# Altium PCB ROBOT1.PcbDoc (part 6 of 7) (continued)
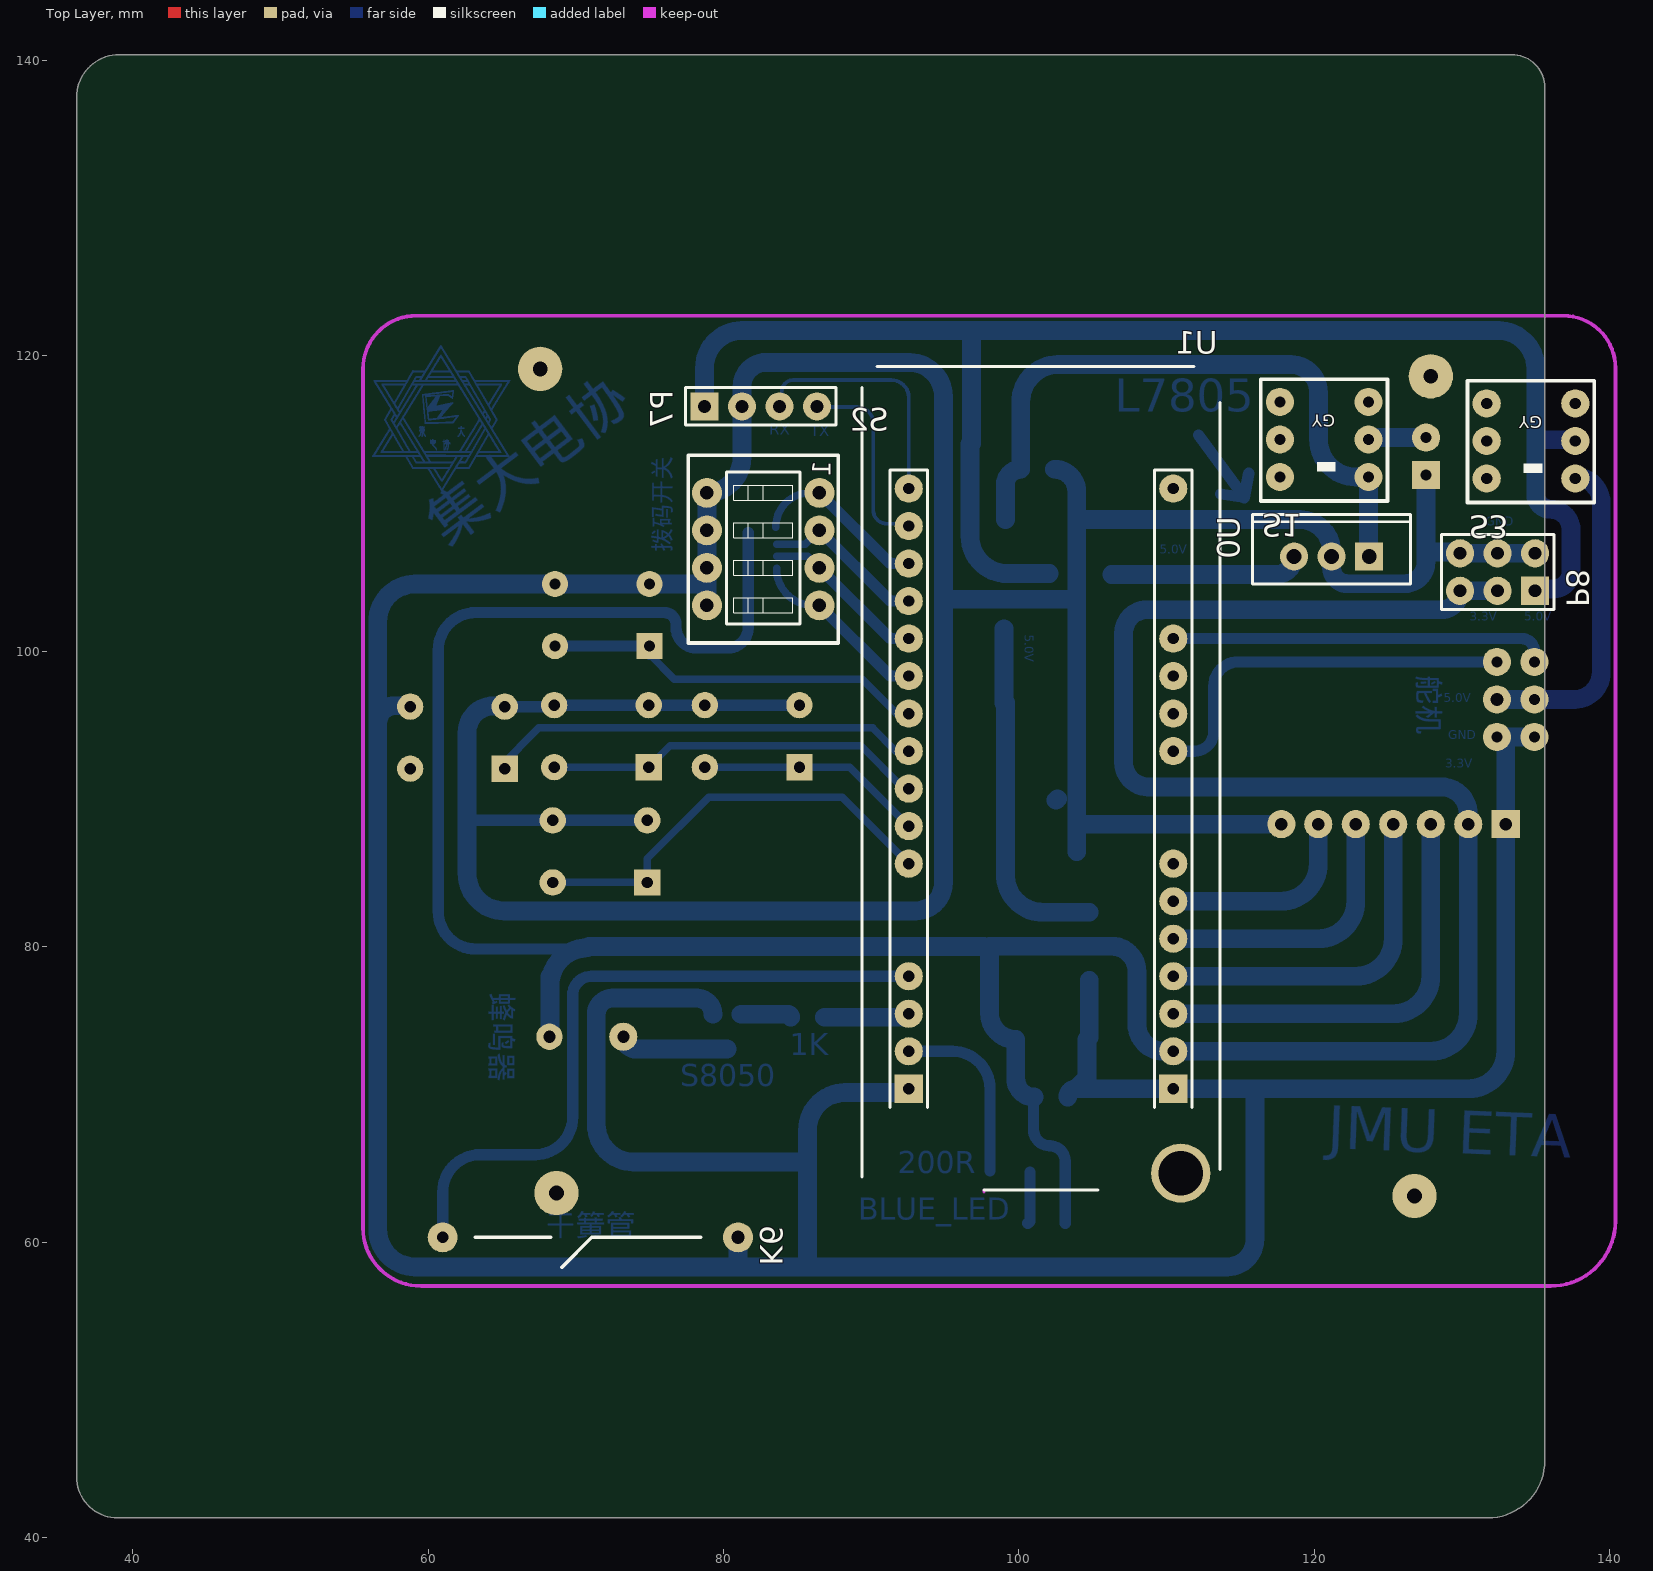
[diagram p0: Top Layer view]
## Nets (pads, with @x,y where several pads share a name; then routed paths per layer and width w, separated by ;. In a path a pad name is that pad's centre, name@x,y a point inside that pad or via, vN(x,y) a via of type N, cw(c..) or ccw(c..) an arc to the next point about the centre after c; other vN are vias at no path point) (continued)
63.361,117.99 ; 63.301,113.419 63.381,113.419 ; 63.301,113.428 63.381,113.428 ; 63.301,114.187 63.381,114.187 ; 63.301,114.197 63.381,114.197 ; 63.301,114.836 63.381,114.836 ; 63.301,114.846 63.391,114.846 ; 63.301,115.465 63.381,115.465 ; 63.301,115.475 63.381,115.475 ; 63.301,115.984 63.401,115.984 ; 63.301,115.994 63.391,115.994 ; 63.301,116.623 63.391,116.623 ; 63.301,116.633 63.391,116.633 ; 63.301,117.192 63.381,117.192 ; 63.301,117.202 63.371,117.202 ; 63.301,117.95 63.381,117.95 ; 63.301,117.96 63.381,117.96 ; 63.301,117.97 63.381,117.97 ; 63.311,113.438 63.381,113.438 ; 63.311,114.207 63.391,114.207 ; 63.311,114.856 63.401,114.856 ; 63.311,115.485 63.391,115.485 ; 63.311,115.974 63.401,115.974 ; 63.311,116.613 63.401,116.613 ; 63.311,117.182 63.381,117.182 ; 63.311,117.94 63.391,117.94 ; 63.321,113.448 63.391,113.448 ; 63.321,113.458 63.401,113.458 ; 63.321,114.217 63.391,114.217 ; 63.321,114.227 63.401,114.227 ; 63.321,114.866 63.401,114.866 ; 63.321,114.876 63.411,114.876 ; 63.321,115.495 63.401,115.495 ; 63.321,115.505 63.401,115.505 ; 63.321,115.515 63.411,115.515 ; 63.321,115.954 63.421,115.954 ; 63.321,115.964 63.411,115.964 ; 63.321,116.593 63.411,116.593 ; 63.321,116.603 63.401,116.603 ; 63.321,117.162 63.401,117.162 ; 63.321,117.172 63.391,117.172 ; 63.321,117.92 63.401,117.92 ; 63.321,117.93 63.391,117.93 ; 63.331,113.468 63.411,113.468 ; 63.331,113.478 64.938,113.478 ; 63.331,114.237 63.401,114.237 ; 63.331,114.247 63.411,114.247 ; 63.331,114.886 63.411,114.886 ; 63.331,114.896 63.421,114.896 ; 63.331,115.525 63.421,115.525 ; 63.331,115.535 63.421,115.535 ; 63.331,115.944 63.421,115.944 ; 63.331,116.583 63.421,116.583 ; 63.331,117.142 63.411,117.142 ; 63.331,117.152 63.401,117.152 ; 63.331,117.91 63.401,117.91 ; 63.341,113.488 64.938,113.488 ; 63.341,113.498 64.928,113.498 ; 63.341,114.257 63.421,114.257 ; 63.341,114.267 63.421,114.267 ; 63.341,114.906 63.431,114.906 ; 63.341,115.545 63.431,115.545 ; 63.341,115.924 63.431,115.924 ; 63.341,115.934 63.431,115.934 ; 63.341,116.563 63.431,116.563 ; 63.341,116.573 63.421,116.573 ; 63.341,117.122 63.421,117.122 ; 63.341,117.132 63.421,117.132 ; 63.341,117.891 63.421,117.891 ; 63.341,117.901 63.411,117.901 ; 63.351,113.508 64.918,113.508 ; 63.351,114.277 63.431,114.277 ; 63.351,114.916 63.431,114.916 ; 63.351,115.555 63.431,115.555 ; 63.351,115.914 63.441,115.914 ; 63.351,116.553 63.441,116.553 ; 63.351,117.112 63.421,117.112 ; 63.351,117.881 63.421,117.881 ; 63.361,113.518 64.918,113.518 ; 63.361,113.528 64.908,113.528 ; 63.361,114.287 63.431,114.287 ; 63.361,114.297 63.441,114.297 ; 63.361,114.926 63.441,114.926 ; 63.361,114.936 63.441,114.936 ; 63.361,114.946 63.451,114.946 ; 63.361,115.565 63.441,115.565 ; 63.361,115.575 63.441,115.575 ; 63.361,115.894 63.451,115.894 ; 63.361,115.904 63.441,115.904 ; 63.361,116.533 63.451,116.533 ; 63.361,116.543 63.441,116.543 ; 63.361,117.092 63.441,117.092 ; 63.361,117.102 63.431,117.102 ; 63.361,117.851 63.441,117.851 ; 63.361,117.861 63.441,117.861 ; 63.361,117.871 63.431,117.871 ; 63.371,113.538 64.898,113.538 ; 63.371,114.307 63.451,114.307 ; 63.371,114.317 63.451,114.317 ; 63.371,114.956 63.451,114.956 ; 63.371,115.585 63.451,115.585 ; 63.371,115.595 63.461,115.595 ; 63.371,115.874 63.461,115.874 ; 63.371,115.884 63.451,115.884 ; 63.371,116.513 63.461,116.513 ; 63.371,116.523 63.461,116.523 ; 63.371,117.072 63.451,117.072 ; 63.371,117.082 63.441,117.082 ; 63.371,117.841 63.451,117.841 ; 63.381,113.548 63.461,113.548 ; 63.381,113.558 63.461,113.558 ; 63.381,113.568 63.461,113.568 ; 63.381,114.327 63.461,114.327 ; 63.381,114.966 63.461,114.966 ; 63.381,114.976 63.471,114.976 ; 63.381,115.605 63.461,115.605 ; 63.381,115.615 63.471,115.615 ; 63.381,115.864 63.471,115.864 ; 63.381,116.493 63.471,116.493 ; 63.381,116.503 63.471,116.503 ; 63.381,117.052 63.461,117.052 ; 63.381,117.062 63.451,117.062 ; 63.381,117.821 63.461,117.821 ; 63.381,117.831 63.451,117.831 ; 63.391,113.578 63.461,113.578 ; 63.391,114.337 63.461,114.337 ; 63.391,114.347 63.471,114.347 ; 63.391,114.986 63.481,114.986 ; 63.391,115.625 63.481,115.625 ; 63.391,115.854 63.481,115.854 ; 63.391,116.483 63.481,116.483 ; 63.391,117.042 63.461,117.042 ; 63.391,117.801 63.471,117.801 ; 63.391,117.811 63.471,117.811 ; 63.401,113.588 63.471,113.588 ; 63.401,113.598 63.481,113.598 ; 63.401,114.357 63.471,114.357 ; 63.401,114.367 63.481,114.367 ; 63.401,114.996 63.481,114.996 ; 63.401,115.006 63.491,115.006 ; 63.401,115.635 63.481,115.635 ; 63.401,115.834 63.491,115.834 ; 63.401,115.844 63.481,115.844 ; 63.401,116.463 63.491,116.463 ; 63.401,116.473 63.481,116.473 ; 63.401,117.022 63.481,117.022 ; 63.401,117.032 63.471,117.032 ; 63.401,117.781 63.481,117.781 ; 63.401,117.791 63.481,117.791 ; 63.411,113.608 63.481,113.608 ; 63.411,113.618 63.491,113.618 ; 63.411,114.377 63.491,114.377 ; 63.411,115.016 63.491,115.016 ; 63.411,115.026 63.501,115.026 ; 63.411,115.645 63.491,115.645 ; 63.411,115.655 63.491,115.655 ; 63.411,115.665 63.591,115.665 ; 63.411,115.814 63.501,115.814 ; 63.411,115.824 63.501,115.824 ; 63.411,116.453 63.501,116.453 ; 63.411,117.002 63.491,117.002 ; 63.411,117.012 63.491,117.012 ; 63.411,117.771 63.491,117.771 ; 63.421,113.628 63.501,113.628 ; 63.421,113.638 63.501,113.638 ; 63.421,114.387 63.491,114.387 ; 63.421,114.397 63.501,114.397 ; 63.421,115.036 63.501,115.036 ; 63.421,115.046 63.511,115.046 ; 63.421,115.674 63.591,115.674 ; 63.421,115.794 63.511,115.794 ; 63.421,115.804 63.511,115.804 ; 63.421,116.433 63.511,116.433 ; 63.421,116.443 63.501,116.443 ; 63.421,116.982 63.501,116.982 ; 63.421,116.992 63.501,116.992 ; 63.421,117.751 63.501,117.751 ; 63.421,117.761 63.491,117.761 ; 63.431,113.648 63.511,113.648 ; 63.431,114.407 63.501,114.407 ; 63.431,114.417 63.511,114.417 ; 63.431,115.056 63.511,115.056 ; 63.431,115.684 63.581,115.684 ; 63.431,115.694 63.581,115.694 ; 63.431,115.784 63.521,115.784 ; 63.431,116.413 63.521,116.413 ; 63.431,116.423 63.521,116.423 ; 63.431,116.972 63.501,116.972 ; 63.431,117.731 63.511,117.731 ; 63.431,117.741 63.501,117.741 ; 63.441,113.658 63.511,113.658 ; 63.441,113.668 63.521,113.668 ; 63.441,114.427 63.521,114.427 ; 63.441,114.437 63.521,114.437 ; 63.441,115.066 63.521,115.066 ; 63.441,115.076 63.531,115.076 ; 63.441,115.704 63.571,115.704 ; 63.441,115.764 63.531,115.764 ; 63.441,115.774 63.531,115.774 ; 63.441,116.403 63.531,116.403 ; 63.441,116.952 63.521,116.952 ; 63.441,116.962 63.511,116.962 ; 63.441,117.711 63.521,117.711 ; 63.441,117.721 63.521,117.721 ; 63.451,113.678 63.521,113.678 ; 63.451,113.688 63.531,113.688 ; 63.451,114.447 63.531,114.447 ; 63.451,115.086 63.541,115.086 ; 63.451,115.714 63.561,115.714 ; 63.451,115.724 63.551,115.724 ; 63.451,115.734 63.551,115.734 ; 63.451,115.744 63.541,115.744 ; 63.451,115.754 63.541,115.754 ; 63.451,116.383 63.541,116.383 ; 63.451,116.393 63.531,116.393 ; 63.451,116.932 63.531,116.932 ; 63.451,116.942 63.521,116.942 ; 63.451,117.701 63.531,117.701 ; 63.451,118.03 63.501,118.03 ; 63.461,113.468 63.481,113.468 ; 63.461,113.698 63.541,113.698 ; 63.461,114.457 63.531,114.457 ; 63.461,114.467 63.541,114.467 ; 63.461,115.096 63.541,115.096 ; 63.461,115.105 63.551,115.105 ; 63.461,116.373 63.551,116.373 ; 63.461,116.912 63.541,116.912 ; 63.461,116.922 63.531,116.922 ; 63.461,117.681 63.541,117.681 ; 63.461,117.691 63.531,117.691 ; 63.471,113.708 63.551,113.708 ; 63.471,113.718 63.551,113.718 ; 63.471,114.477 63.541,114.477 ; 63.471,114.487 63.551,114.487 ; 63.471,115.115 63.561,115.115 ; 63.471,115.125 63.561,115.125 ; 63.471,116.353 63.561,116.353 ; 63.471,116.363 63.551,116.363 ; 63.471,116.902 63.551,116.902 ; 63.471,117.671 63.541,117.671 ; 63.481,113.728 63.561,113.728 ; 63.481,113.738 63.561,113.738 ; 63.481,114.497 63.561,114.497 ; 63.481,114.507 63.561,114.507 ; 63.481,115.135 63.571,115.135 ; 63.481,115.145 63.571,115.145 ; 63.481,116.333 63.571,116.333 ; 63.481,116.343 63.561,116.343 ; 63.481,116.882 63.561,116.882 ; 63.481,116.892 63.551,116.892 ; 63.481,117.641 63.571,117.641 ; 63.481,117.651 63.561,117.651 ; 63.481,117.661 63.551,117.661 ; 63.491,113.548 64.669,113.548 ; 63.491,113.748 63.561,113.748 ; 63.491,113.758 63.571,113.758 ; 63.491,114.517 63.571,114.517 ; 63.491,115.155 63.581,115.155 ; 63.491,116.323 63.581,116.323 ; 63.491,116.862 63.571,116.862 ; 63.491,116.872 63.571,116.872 ; 63.491,117.631 63.571,117.631 ; 63.501,113.768 63.581,113.768 ; 63.501,114.527 63.571,114.527 ; 63.501,114.537 63.581,114.537 ; 63.501,115.165 63.581,115.165 ; 63.501,116.303 63.591,116.303 ; 63.501,116.313 63.581,116.313 ; 63.501,116.842 63.581,116.842 ; 63.501,116.852 63.581,116.852 ; 63.501,117.611 63.581,117.611 ; 63.501,117.621 63.581,117.621 ; 63.511,113.778 63.581,113.778 ; 63.511,113.788 63.591,113.788 ; 63.511,114.546 63.581,114.546 ; 63.511,114.556 63.591,114.556 ; 63.511,115.175 63.591,115.175 ; 63.511,115.185 63.601,115.185 ; 63.511,115.655 63.601,115.655 ; 63.511,116.293 63.601,116.293 ; 63.511,116.832 63.591,116.832 ; 63.511,117.591 63.591,117.591 ; 63.511,117.601 63.591,117.601 ; 63.521,113.798 63.601,113.798 ; 63.521,114.566 63.601,114.566 ; 63.521,114.576 63.601,114.576 ; 63.521,115.195 63.611,115.195 ; 63.521,115.635 63.611,115.635 ; 63.521,115.645 63.611,115.645 ; 63.521,116.273 63.611,116.273 ; 63.521,116.283 63.601,116.283 ; 63.521,116.812 63.601,116.812 ; 63.521,116.822 63.591,116.822 ; 63.521,117.571 63.611,117.571 ; 63.521,117.581 63.601,117.581 ; 63.531,113.808 63.601,113.808 ; 63.531,113.818 63.611,113.818 ; 63.531,114.586 63.611,114.586 ; 63.531,114.596 63.611,114.596 ; 63.531,115.205 63.611,115.205 ; 63.531,115.215 63.621,115.215 ; 63.531,115.615 63.631,115.615 ; 63.531,115.625 63.621,115.625 ; 63.531,116.253 63.621,116.253 ; 63.531,116.263 63.621,116.263 ; 63.531,116.792 63.611,116.792 ; 63.531,116.802 63.611,116.802 ; 63.531,117.561 63.611,117.561 ; 63.531,118.03 64.739,118.03 ; 63.541,113.828 63.611,113.828 ; 63.541,113.838 63.621,113.838 ; 63.541,114.606 63.621,114.606 ; 63.541,115.225 63.621,115.225 ; 63.541,115.595 63.641,115.595 ; 63.541,115.605 63.631,115.605 ; 63.541,116.243 63.631,116.243 ; 63.541,116.773 63.621,116.773 ; 63.541,116.783 63.621,116.783 ; 63.541,117.541 63.621,117.541 ; 63.541,117.551 63.611,117.551 ; 63.551,113.848 63.621,113.848 ; 63.551,113.858 63.631,113.858 ; 63.551,114.616 63.631,114.616 ; 63.551,114.626 63.631,114.626 ; 63.551,115.235 63.631,115.235 ; 63.551,115.245 63.631,115.245 ; 63.551,115.585 63.641,115.585 ; 63.551,116.224 63.641,116.224 ; 63.551,116.233 63.631,116.233 ; 63.551,116.763 63.631,116.763 ; 63.551,117.521 63.631,117.521 ; 63.551,117.531 63.631,117.531 ; 63.561,113.868 63.641,113.868 ; 63.561,113.878 63.641,113.878 ; 63.561,114.636 63.641,114.636 ; 63.561,114.646 63.641,114.646 ; 63.561,115.255 63.641,115.255 ; 63.561,115.265 63.641,115.265 ; 63.561,115.275 63.651,115.275 ; 63.561,115.565 63.651,115.565 ; 63.561,115.575 63.651,115.575 ; 63.561,116.204 63.651,116.204 ; 63.561,116.214 63.641,116.214 ; 63.561,116.743 63.641,116.743 ; 63.561,116.753 63.641,116.753 ; 63.561,117.511 63.641,117.511 ; 63.571,113.888 63.651,113.888 ; 63.571,114.656 63.651,114.656 ; 63.571,115.285 63.661,115.285 ; 63.571,115.555 63.661,115.555 ; 63.571,116.194 63.651,116.194 ; 63.571,116.723 63.651,116.723 ; 63.571,116.733 63.651,116.733 ; 63.571,117.491 63.651,117.491 ; 63.571,117.501 63.651,117.501 ; 63.581,113.898 63.651,113.898 ; 63.581,113.908 63.661,113.908 ; 63.581,114.666 63.651,114.666 ; 63.581,114.676 63.661,114.676 ; 63.581,115.295 63.661,115.295 ; 63.581,115.535 63.671,115.535 ; 63.581,115.545 63.671,115.545 ; 63.581,116.174 63.671,116.174 ; 63.581,116.184 63.661,116.184 ; 63.581,116.713 63.651,116.713 ; 63.581,117.471 63.661,117.471 ; 63.581,117.481 63.661,117.481 ; 63.591,113.918 63.661,113.918 ; 63.591,113.928 63.671,113.928 ; 63.591,114.686 63.661,114.686 ; 63.591,115.305 63.671,115.305 ; 63.591,115.315 63.681,115.315 ; 63.591,115.525 63.681,115.525 ; 63.591,116.164 63.681,116.164 ; 63.591,116.693 63.661,116.693 ; 63.591,116.703 63.661,116.703 ; 63.591,117.461 63.671,117.461 ; 63.601,113.938 63.681,113.938 ; 63.601,113.948 63.681,113.948 ; 63.601,114.696 63.671,114.696 ; 63.601,114.706 63.681,114.706 ; 63.601,115.325 63.681,115.325 ; 63.601,115.505 63.691,115.505 ; 63.601,115.515 63.691,115.515 ; 63.601,116.144 63.8,116.144 ; 63.601,116.154 63.681,116.154 ; 63.601,116.673 63.681,116.673 ; 63.601,116.683 63.671,116.683 ; 63.601,117.441 63.681,117.441 ; 63.601,117.451 63.671,117.451 ; 63.611,113.958 63.691,113.958 ; 63.611,113.968 63.691,113.968 ; 63.611,114.716 63.681,114.716 ; 63.611,114.726 63.691,114.726 ; 63.611,115.335 63.691,115.335 ; 63.611,115.345 63.79,115.345 ; 63.611,115.485 63.701,115.485 ; 63.611,115.495 63.701,115.495 ; 63.611,116.124 63.78,116.124 ; 63.611,116.134 63.79,116.134 ; 63.611,116.653 63.691,116.653 ; 63.611,116.663 63.691,116.663 ; 63.611,117.421 63.691,117.421 ; 63.611,117.431 63.691,117.431 ; 63.621,113.978 63.701,113.978 ; 63.621,114.736 63.691,114.736 ; 63.621,114.746 63.701,114.746 ; 63.621,115.355 63.78,115.355 ; 63.621,115.365 63.78,115.365 ; 63.621,115.475 63.711,115.475 ; 63.621,116.114 63.78,116.114 ; 63.621,116.643 63.701,116.643 ; 63.621,117.411 63.701,117.411 ; 63.631,113.987 63.711,113.987 ; 63.631,113.997 63.711,113.997 ; 63.631,114.756 63.701,114.756 ; 63.631,115.375 63.77,115.375 ; 63.631,115.385 63.77,115.385 ; 63.631,115.455 63.721,115.455 ; 63.631,115.465 63.721,115.465 ; 63.631,116.094 63.78,116.094 ; 63.631,116.104 63.78,116.104 ; 63.631,116.623 63.711,116.623 ; 63.631,116.633 63.701,116.633 ; 63.631,117.391 63.711,117.391 ; 63.631,117.401 63.711,117.401 ; 63.641,114.007 63.721,114.007 ; 63.641,114.766 63.711,114.766 ; 63.641,114.776 63.711,114.776 ; 63.641,114.786 63.721,114.786 ; 63.641,115.395 63.761,115.395 ; 63.641,115.435 63.731,115.435 ; 63.641,115.445 63.731,115.445 ; 63.641,116.074 63.751,116.074 ; 63.641,116.084 63.77,116.084 ; 63.641,116.603 63.721,116.603 ; 63.641,116.613 63.711,116.613 ; 63.641,117.371 63.721,117.371 ; 63.641,117.381 63.721,117.381 ; 63.651,114.017 63.721,114.017 ; 63.651,114.027 63.731,114.027 ; 63.651,114.796 63.731,114.796 ; 63.651,115.405 63.751,115.405 ; 63.651,115.415 63.751,115.415 ; 63.651,115.425 63.741,115.425 ; 63.651,116.064 63.751,116.064 ; 63.651,116.583 63.731,116.583 ; 63.651,116.593 63.731,116.593 ; 63.651,117.351 63.731,117.351 ; 63.651,117.361 63.731,117.361 ; 63.661,114.037 63.731,114.037 ; 63.661,114.047 63.741,114.047 ; 63.661,114.806 63.731,114.806 ; 63.661,114.816 63.741,114.816 ; 63.661,116.054 63.751,116.054 ; 63.661,116.563 63.741,116.563 ; 63.661,116.573 63.741,116.573 ; 63.661,117.332 63.741,117.332 ; 63.661,117.342 63.741,117.342 ; 63.671,114.057 63.741,114.057 ; 63.671,114.067 63.751,114.067 ; 63.671,114.826 63.751,114.826 ; 63.671,114.836 63.751,114.836 ; 63.671,116.034 63.761,116.034 ; 63.671,116.044 63.751,116.044 ; 63.671,116.553 63.751,116.553 ; 63.671,117.322 63.751,117.322 ; 63.681,114.077 63.761,114.077 ; 63.681,114.087 63.761,114.087 ; 63.681,114.846 63.761,114.846 ; 63.681,116.014 63.77,116.014 ; 63.681,116.024 63.761,116.024 ; 63.681,116.533 63.761,116.533 ; 63.681,116.543 63.761,116.543 ; 63.681,117.302 63.761,117.302 ; 63.681,117.312 63.761,117.312 ; 63.691,114.097 63.77,114.097 ; 63.691,114.107 63.77,114.107 ; 63.691,114.856 63.761,114.856 ; 63.691,114.866 63.77,114.866 ; 63.691,115.994 63.78,115.994 ; 63.691,116.004 63.77,116.004 ; 63.691,116.513 63.77,116.513 ; 63.691,116.523 63.77,116.523 ; 63.691,117.282 63.77,117.282 ; 63.691,117.292 63.77,117.292 ; 63.701,114.117 63.78,114.117 ; 63.701,114.876 63.77,114.876 ; 63.701,114.886 63.78,114.886 ; 63.701,115.984 63.79,115.984 ; 63.701,116.503 63.78,116.503 ; 63.701,117.272 63.78,117.272 ; 63.711,114.127 63.79,114.127 ; 63.711,114.896 63.78,114.896 ; 63.711,115.325 63.8,115.325 ; 63.711,115.335 63.8,115.335 ; 63.711,115.964 63.8,115.964 ; 63.711,115.974 63.79,115.974 ; 63.711,116.483 63.79,116.483 ; 63.711,116.493 63.78,116.493 ; 63.711,117.252 63.79,117.252 ; 63.711,117.262 63.79,117.262 ; 63.721,114.137 63.79,114.137 ; 63.721,114.147 63.8,114.147 ; 63.721,114.906 63.79,114.906 ; 63.721,114.916 63.8,114.916 ; 63.721,115.315 63.81,115.315 ; 63.721,115.944 63.81,115.944 ; 63.721,115.954 63.81,115.954 ; 63.721,116.154 63.8,116.154 ; 63.721,116.164 63.81,116.164 ; 63.721,116.463 63.8,116.463 ; 63.721,116.473 63.79,116.473 ; 63.721,117.232 63.8,117.232 ; 63.721,117.242 63.8,117.242 ; 63.731,114.157 63.8,114.157 ; 63.731,114.167 63.81,114.167 ; 63.731,114.926 63.8,114.926 ; 63.731,114.936 63.81,114.936 ; 63.731,115.295 63.82,115.295 ; 63.731,115.305 63.82,115.305 ; 63.731,115.934 63.82,115.934 ; 63.731,116.174 63.82,116.174 ; 63.731,116.184 63.82,116.184 ; 63.731,116.443 63.81,116.443 ; 63.731,116.453 63.81,116.453 ; 63.731,117.212 63.81,117.212 ; 63.731,117.222 63.81,117.222 ; 63.741,114.177 63.81,114.177 ; 63.741,114.946 63.81,114.946 ; 63.741,115.275 63.83,115.275 ; 63.741,115.285 63.83,115.285 ; 63.741,115.914 63.83,115.914 ; 63.741,115.924 63.83,115.924 ; 63.741,116.194 63.83,116.194 ; 63.741,116.433 63.82,116.433 ; 63.741,117.192 63.82,117.192 ; 63.741,117.202 63.82,117.202 ; 63.751,114.187 63.82,114.187 ; 63.751,114.197 63.82,114.197 ; 63.751,114.956 63.82,114.956 ; 63.751,114.966 63.83,114.966 ; 63.751,115.255 63.85,115.255 ; 63.751,115.265 63.84,115.265 ; 63.751,115.904 63.84,115.904 ; 63.751,116.204 63.83,116.204 ; 63.751,116.413 63.83,116.413 ; 63.751,116.423 63.83,116.423 ; 63.751,117.172 63.84,117.172 ; 63.751,117.182 63.83,117.182 ; 63.761,114.207 63.83,114.207 ; 63.761,114.217 63.84,114.217 ; 63.761,114.976 63.83,114.976 ; 63.761,114.986 63.84,114.986 ; 63.761,115.245 63.85,115.245 ; 63.761,115.884 63.85,115.884 ; 63.761,115.894 63.84,115.894 ; 63.761,116.214 63.84,116.214 ; 63.761,116.224 63.94,116.224 ; 63.761,116.233 63.93,116.233 ; 63.761,116.393 63.84,116.393 ; 63.761,116.403 63.84,116.403 ; 63.761,117.162 63.84,117.162 ; 63.77,114.227 63.85,114.227 ; 63.77,114.237 63.85,114.237 ; 63.77,114.996 63.85,114.996 ; 63.77,115.006 63.85,115.006 ; 63.77,115.225 63.86,115.225 ; 63.77,115.235 63.86,115.235 ; 63.77,115.864 63.86,115.864 ; 63.77,115.874 63.85,115.874 ; 63.77,116.243 63.93,116.243 ; 63.77,116.373 63.85,116.373 ; 63.77,116.383 63.85,116.383 ; 63.77,117.142 63.86,117.142 ; 63.77,117.152 63.85,117.152 ; 63.78,114.247 63.85,114.247 ; 63.78,115.016 63.85,115.016 ; 63.78,115.026 63.86,115.026 ; 63.78,115.215 63.87,115.215 ; 63.78,115.854 63.87,115.854 ; 63.78,116.253 63.92,116.253 ; 63.78,116.263 63.92,116.263 ; 63.78,116.363 63.86,116.363 ; 63.78,117.132 63.86,117.132 ; 63.79,114.257 63.86,114.257 ; 63.79,114.267 63.87,114.267 ; 63.79,115.036 63.87,115.036 ; 63.79,115.195 63.88,115.195 ; 63.79,115.205 63.88,115.205 ; 63.79,115.834 63.88,115.834 ; 63.79,115.844 63.87,115.844 ; 63.79,116.273 63.91,116.273 ; 63.79,116.343 63.87,116.343 ; 63.79,116.353 63.87,116.353 ; 63.79,117.102 63.87,117.102 ; 63.79,117.112 63.87,117.112 ; 63.79,117.122 63.87,117.122 ; 63.8,114.277 63.87,114.277 ; 63.8,114.287 63.88,114.287 ; 63.8,115.046 63.97,115.046 ; 63.8,115.056 63.97,115.056 ; 63.8,115.185 63.89,115.185 ; 63.8,115.824 63.88,115.824 ; 63.8,116.283 63.91,116.283 ; 63.8,116.323 63.89,116.323 ; 63.8,116.333 63.88,116.333 ; 63.8,117.092 63.88,117.092 ; 63.81,114.297 63.88,114.297 ; 63.81,114.307 63.89,114.307 ; 63.81,115.066 63.96,115.066 ; 63.81,115.076 63.95,115.076 ; 63.81,115.165 63.9,115.165 ; 63.81,115.175 63.9,115.175 ; 63.81,115.804 63.98,115.804 ; 63.81,115.814 63.98,115.814 ; 63.81,116.293 63.9,116.293 ; 63.81,116.303 63.9,116.303 ; 63.81,116.313 63.89,116.313 ; 63.81,117.082 63.89,117.082 ; 63.82,114.317 63.89,114.317 ; 63.82,115.086 63.95,115.086 ; 63.82,115.145 63.91,115.145 ; 63.82,115.155 63.91,115.155 ; 63.82,115.794 63.97,115.794 ; 63.82,117.062 63.9,117.062 ; 63.82,117.072 63.89,117.072 ; 63.83,114.327 63.9,114.327 ; 63.83,114.337 63.91,114.337 ; 63.83,115.096 63.94,115.096 ; 63.83,115.105 63.94,115.105 ; 63.83,115.115 63.93,115.115 ; 63.83,115.125 63.93,115.125 ; 63.83,115.135 63.92,115.135 ; 63.83,115.764 63.95,115.764 ; 63.83,115.774 63.96,115.774 ; 63.83,115.784 63.97,115.784 ; 63.83,117.042 63.91,117.042 ; 63.83,117.052 63.91,117.052 ; 63.84,114.347 63.91,114.347 ; 63.84,114.357 63.92,114.357 ; 63.84,115.754 63.94,115.754 ; 63.84,117.022 63.92,117.022 ; 63.84,117.032 63.92,117.032 ; 63.85,114.367 63.93,114.367 ; 63.85,114.377 63.93,114.377 ; 63.85,115.734 63.94,115.734 ; 63.85,115.744 63.94,115.744 ; 63.85,117.002 63.93,117.002 ; 63.85,117.012 63.93,117.012 ; 63.86,114.387 63.93,114.387 ; 63.86,115.724 63.95,115.724 ; 63.86,116.992 63.94,116.992 ; 63.87,114.397 63.94,114.397 ; 63.87,114.407 63.95,114.407 ; 63.87,115.714 63.95,115.714 ; 63.87,116.204 63.95,116.204 ; 63.87,116.214 63.95,116.214 ; 63.87,116.972 63.95,116.972 ; 63.87,116.982 63.94,116.982 ; 63.88,114.417 63.96,114.417 ; 63.88,114.427 63.96,114.427 ; 63.88,115.694 63.97,115.694 ; 63.88,115.704 63.96,115.704 ; 63.88,116.184 63.96,116.184 ; 63.88,116.194 63.95,116.194 ; 63.88,116.952 63.96,116.952 ; 63.88,116.962 63.96,116.962 ; 63.89,114.437 63.97,114.437 ; 63.89,114.447 63.97,114.447 ; 63.89,115.036 63.98,115.036 ; 63.89,115.674 63.97,115.674 ; 63.89,115.684 63.97,115.684 ; 63.89,116.164 63.97,116.164 ; 63.89,116.174 63.97,116.174 ; 63.89,116.932 63.97,116.932 ; 63.89,116.942 63.97,116.942 ; 63.9,114.457 63.98,114.457 ; 63.9,115.026 63.99,115.026 ; 63.9,115.665 63.98,115.665 ; 63.9,116.154 63.98,116.154 ; 63.9,116.922 63.98,116.922 ; 63.91,114.467 63.98,114.467 ; 63.91,114.477 63.99,114.477 ; 63.91,115.006 64,115.006 ; 63.91,115.016 63.99,115.016 ; 63.91,115.645 63.99,115.645 ; 63.91,115.655 63.99,115.655 ; 63.91,115.824 63.99,115.824 ; 63.91,115.834 63.99,115.834 ; 63.91,116.134 63.99,116.134 ; 63.91,116.144 63.99,116.144 ; 63.91,116.902 63.99,116.902 ; 63.91,116.912 63.99,116.912 ; 63.92,114.487 63.99,114.487 ; 63.92,114.497 64,114.497 ; 63.92,114.986 64.01,114.986 ; 63.92,114.996 64.01,114.996 ; 63.92,115.625 64.01,115.625 ; 63.92,115.635 64,115.635 ; 63.92,115.844 64,115.844 ; 63.92,115.854 64,115.854 ; 63.92,115.864 64.01,115.864 ; 63.92,116.114 64,116.114 ; 63.92,116.124 64,116.124 ; 63.92,116.882 64,116.882 ; 63.92,116.892 64,116.892 ; 63.93,114.507 64.01,114.507 ; 63.93,114.517 64.01,114.517 ; 63.93,114.966 64.02,114.966 ; 63.93,114.976 64.02,114.976 ; 63.93,115.605 64.02,115.605 ; 63.93,115.615 64.02,115.615 ; 63.93,115.874 64.02,115.874 ; 63.93,116.094 64.01,116.094 ; 63.93,116.104 64.01,116.104 ; 63.93,116.862 64.01,116.862 ; 63.93,116.872 64.01,116.872 ; 63.94,114.527 64.02,114.527 ; 63.94,114.956 64.03,114.956 ; 63.94,115.595 64.03,115.595 ; 63.94,115.884 64.03,115.884 ; 63.94,116.084 64.02,116.084 ; 63.94,116.852 64.02,116.852 ; 63.95,114.537 64.02,114.537 ; 63.95,114.546 64.03,114.546 ; 63.95,114.936 64.04,114.936 ; 63.95,114.946 64.04,114.946 ; 63.95,115.575 64.04,115.575 ; 63.95,115.585 64.03,115.585 ; 63.95,115.894 64.13,115.894 ; 63.95,115.904 64.13,115.904 ; 63.95,116.064 64.03,116.064 ; 63.95,116.074 64.02,116.074 ; 63.95,116.832 64.04,116.832 ; 63.95,116.842 64.03,116.842 ; 63.96,114.556 64.03,114.556 ; 63.96,114.566 64.04,114.566 ; 63.96,114.926 64.05,114.926 ; 63.96,115.565 64.05,115.565 ; 63.96,115.914 64.12,115.914 ; 63.96,115.924 64.12,115.924 ; 63.96,116.054 64.04,116.054 ; 63.96,116.812 64.05,116.812 ; 63.96,116.822 64.04,116.822 ; 63.97,114.576 64.05,114.576 ; 63.97,114.586 64.05,114.586 ; 63.97,114.906 64.06,114.906 ; 63.97,114.916 64.05,114.916 ; 63.97,115.545 64.05,115.545 ; 63.97,115.555 64.05,115.555 ; 63.97,115.934 64.11,115.934 ; 63.97,116.024 64.06,116.024 ; 63.97,116.034 64.05,116.034 ; 63.97,116.044 64.04,116.044 ; 63.97,116.792 64.05,116.792 ; 63.97,116.802 64.05,116.802 ; 63.98,114.596 64.06,114.596 ; 63.98,114.886 64.07,114.886 ; 63.98,114.896 64.07,114.896 ; 63.98,115.535 64.15,115.535 ; 63.98,115.944 64.1,115.944 ; 63.98,115.954 64.1,115.954 ; 63.98,116.014 64.06,116.014 ; 63.98,116.783 64.06,116.783 ; 63.99,114.606 64.06,114.606 ; 63.99,114.616 64.07,114.616 ; 63.99,114.866 64.08,114.866 ; 63.99,114.876 64.08,114.876 ; 63.99,115.515 64.14,115.515 ; 63.99,115.525 64.15,115.525 ; 63.99,115.964 64.09,115.964 ; 63.99,115.974 64.09,115.974 ; 63.99,115.984 64.08,115.984 ; 63.99,115.994 64.08,115.994 ; 63.99,116.004 64.07,116.004 ; 63.99,116.763 64.07,116.763 ; 63.99,116.773 64.07,116.773 ; 64,114.626 64.07,114.626 ; 64,114.636 64.08,114.636 ; 64,114.856 64.09,114.856 ; 64,115.495 64.13,115.495 ; 64,115.505 64.14,115.505 ; 64,116.743 64.17,116.743 ; 64,116.753 64.17,116.753 ; 64.01,114.646 64.09,114.646 ; 64.01,114.656 64.22,114.656 ; 64.01,114.846 64.1,114.846 ; 64.01,115.475 64.12,115.475 ; 64.01,115.485 64.13,115.485 ; 64.01,116.733 64.16,116.733 ; 64.02,114.666 64.21,114.666 ; 64.02,114.826 64.11,114.826 ; 64.02,114.836 64.11,114.836 ; 64.02,115.465 64.12,115.465 ; 64.02,116.713 64.15,116.713 ; 64.02,116.723 64.15,116.723 ; 64.03,114.676 64.2,114.676 ; 64.03,114.686 64.2,114.686 ; 64.03,114.806 64.12,114.806 ; 64.03,114.816 64.12,114.816 ; 64.03,115.445 64.12,115.445 ; 64.03,115.455 64.12,115.455 ; 64.03,116.703 64.14,116.703 ; 64.04,114.696 64.19,114.696 ; 64.04,114.706 64.18,114.706 ; 64.04,114.796 64.13,114.796 ; 64.04,115.435 64.12,115.435 ; 64.04,116.683 64.13,116.683 ; 64.04,116.693 64.13,116.693 ; 64.05,114.716 64.18,114.716 ; 64.05,114.726 64.17,114.726 ; 64.05,114.776 64.14,114.776 ; 64.05,114.786 64.13,114.786 ; 64.05,115.415 64.14,115.415 ; 64.05,115.425 64.13,115.425 ; 64.05,115.884 64.14,115.884 ; 64.05,116.653 64.14,116.653 ; 64.05,116.663 64.13,116.663 ; 64.05,116.673 64.13,116.673 ; 64.06,114.736 64.17,114.736 ; 64.06,114.746 64.16,114.746 ; 64.06,114.756 64.15,114.756 ; 64.06,114.766 64.15,114.766 ; 64.06,115.395 64.15,115.395 ; 64.06,115.405 64.14,115.405 ; 64.06,115.874 64.14,115.874 ; 64.06,116.643 64.15,116.643 ; 64.07,115.385 64.16,115.385 ; 64.07,115.854 64.15,115.854 ; 64.07,115.864 64.15,115.864 ; 64.07,116.633 64.15,116.633 ; 64.08,115.365 64.17,115.365 ; 64.08,115.375 64.16,115.375 ; 64.08,115.545 64.16,115.545 ; 64.08,115.834 64.16,115.834 ; 64.08,115.844 64.16,115.844 ; 64.08,116.613 64.16,116.613 ; 64.08,116.623 64.16,116.623 ; 64.09,115.355 64.17,115.355 ; 64.09,115.555 64.17,115.555 ; 64.09,115.565 64.17,115.565 ; 64.09,115.824 64.17,115.824 ; 64.09,116.583 64.17,116.583 ; 64.09,116.593 64.17,116.593 ; 64.09,116.603 64.17,116.603 ; 64.09,116.763 64.18,116.763 ; 64.1,115.335 64.19,115.335 ; 64.1,115.345 64.18,115.345 ; 64.1,115.575 64.18,115.575 ; 64.1,115.814 64.18,115.814 ; 64.1,116.573 64.18,116.573 ; 64.1,116.773 64.18,116.773 ; 64.11,115.315 64.2,115.315 ; 64.11,115.325 64.19,115.325 ; 64.11,115.585 64.19,115.585 ; 64.11,115.595 64.19,115.595 ; 64.11,115.784 64.19,115.784 ; 64.11,115.794 64.19,115.794 ; 64.11,115.804 64.18,115.804 ; 64.11,116.553 64.19,116.553 ; 64.11,116.563 64.19,116.563 ; 64.11,116.783 64.19,116.783 ; 64.11,116.792 64.2,116.792 ; 64.12,114.646 64.22,114.646 ; 64.12,115.305 64.21,115.305 ; 64.12,115.605 64.2,115.605 ; 64.12,115.615 64.2,115.615 ; 64.12,115.774 64.2,115.774 ; 64.12,116.543 64.2,116.543 ; 64.12,116.802 64.2,116.802 ; 64.12,116.812 64.21,116.812 ; 64.13,115.285 64.22,115.285 ; 64.13,115.295 64.21,115.295 ; 64.13,115.625 64.21,115.625 ; 64.13,115.635 64.21,115.635 ; 64.13,115.754 64.21,115.754 ; 64.13,115.764 64.2,115.764 ; 64.13,116.523 64.21,116.523 ; 64.13,116.533 64.21,116.533 ; 64.13,116.822 64.21,116.822 ; 64.13,116.832 64.22,116.832 ; 64.14,114.636 64.23,114.636 ; 64.14,115.265 64.23,115.265 ; 64.14,115.275 64.22,115.275 ; 64.14,115.645 64.22,115.645 ; 64.14,115.655 64.22,115.655 ; 64.14,115.734 64.23,115.734 ; 64.14,115.744 64.22,115.744 ; 64.14,116.503 64.22,116.503 ; 64.14,116.513 64.22,116.513 ; 64.14,116.842 64.23,116.842 ; 64.15,114.616 64.24,114.616 ; 64.15,114.626 64.23,114.626 ; 64.15,115.255 64.24,115.255 ; 64.15,115.665 64.23,115.665 ; 64.15,115.724 64.23,115.724 ; 64.15,116.483 64.23,116.483 ; 64.15,116.493 64.23,116.493 ; 64.15,116.852 64.24,116.852 ; 64.16,114.596 64.25,114.596 ; 64.16,114.606 64.25,114.606 ; 64.16,115.235 64.25,115.235